# Altium PCB SEG_pressure gauge_don  V2.3.PcbDoc (part 2 of 4)
Units mil, origin at the board's own origin, x right, y up, seen from the top; angles counter-clockwise.
Board outline 2755.91 x 2755.91 mil, 2 copper layers (Top Layer, Bottom Layer); 36 components, 44 nets, 129 pads, 10 vias.
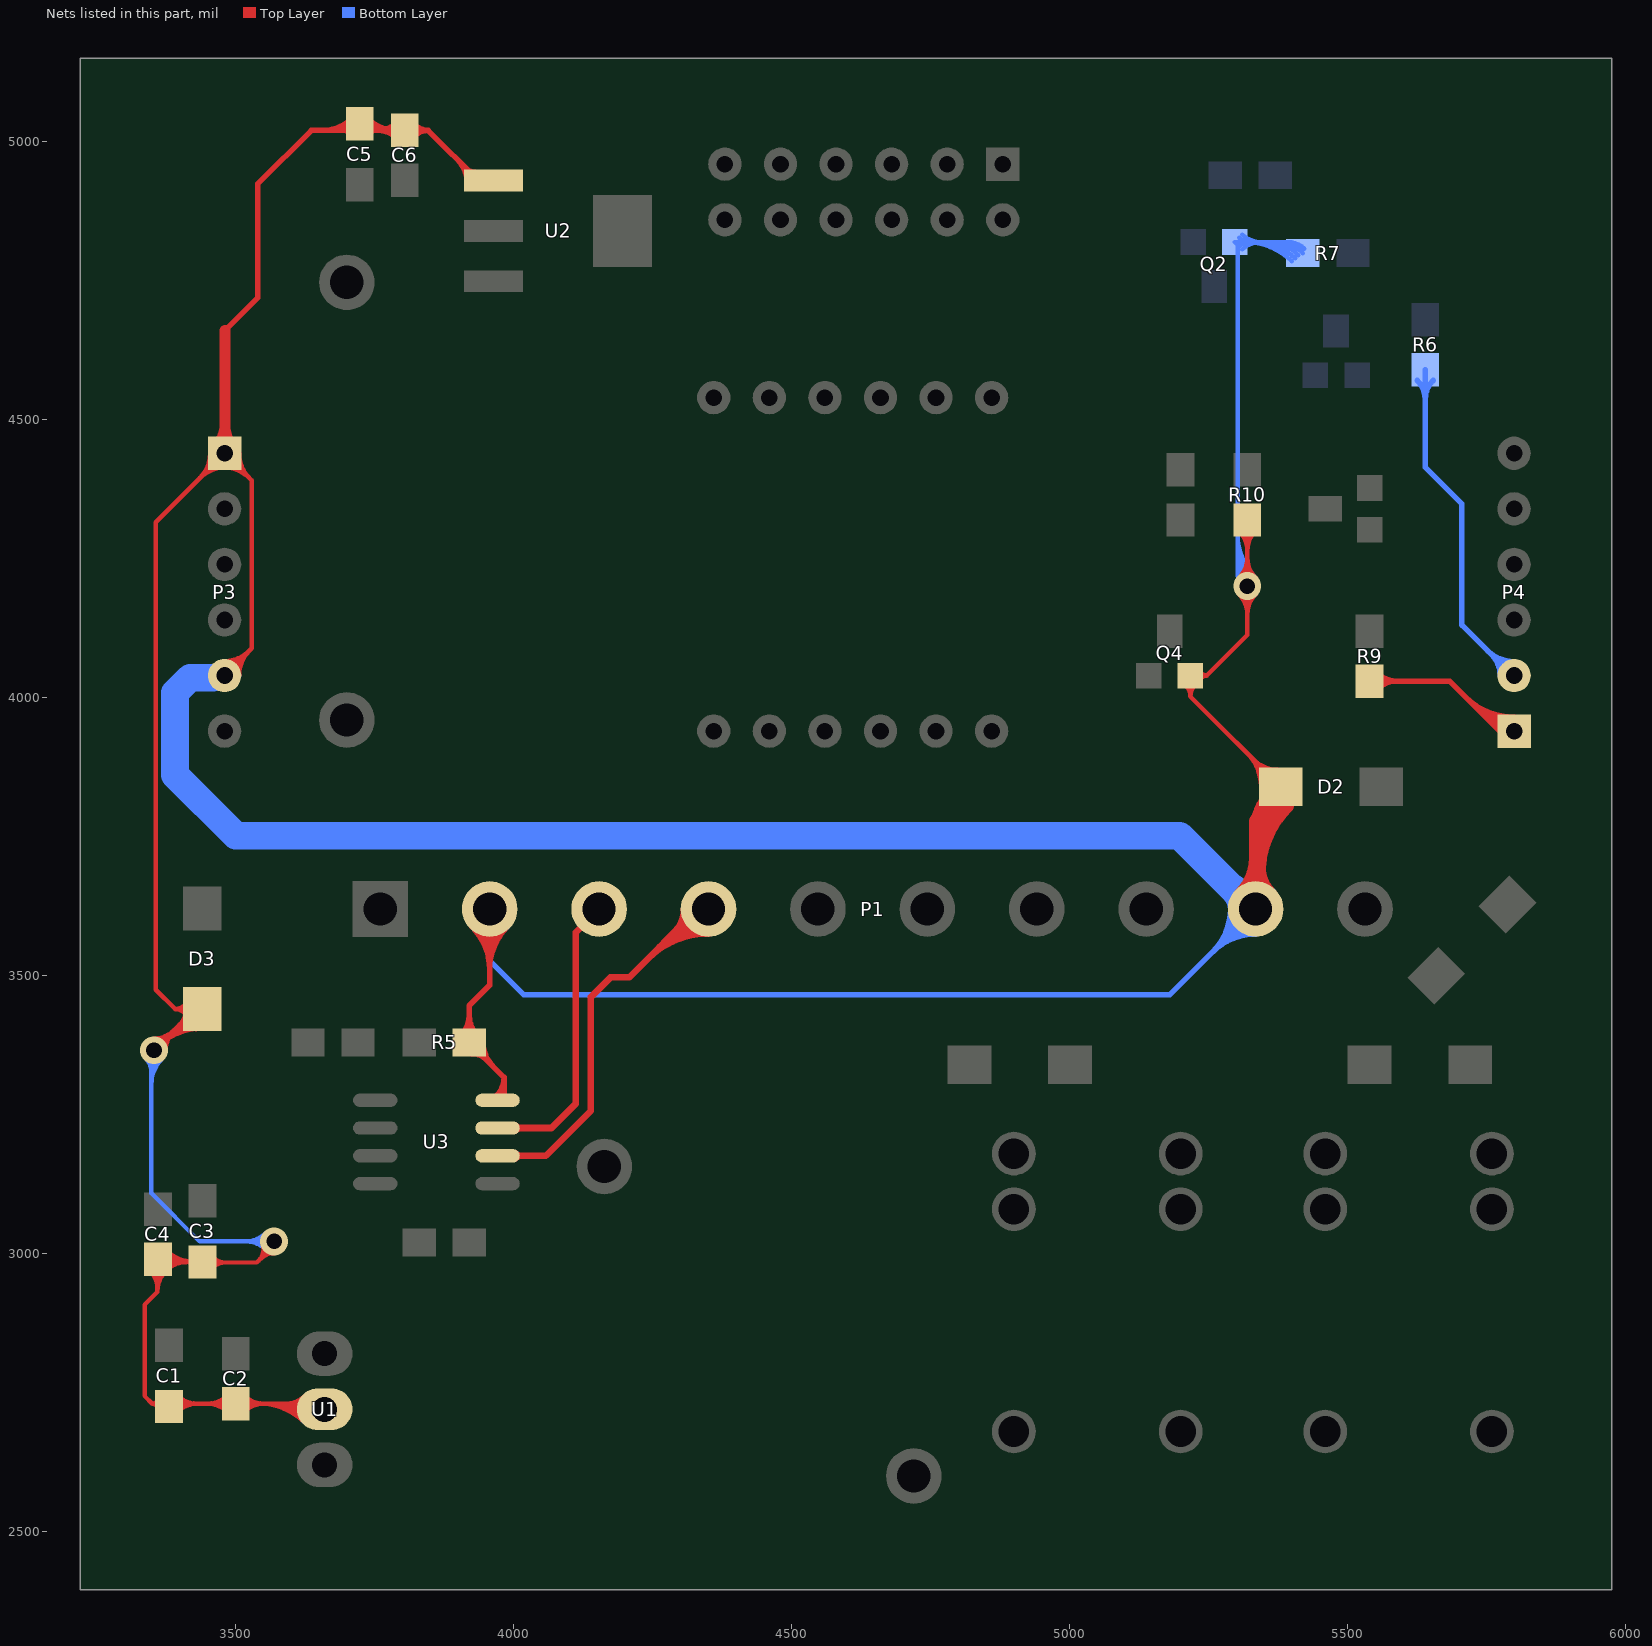
[diagram p2: the nets of this part, all layers, seen from the top]

## Via types
v1: diameter 50, hole 28, Top Layer to Bottom Layer, 7 vias
v2: diameter 50, hole 25, Top Layer to Bottom Layer, 2 vias
v3: diameter 31.5, hole 19.68, Top Layer to Bottom Layer, 1 vias

## Nets (pads, with @x,y where several pads share a name; then routed paths per layer and width w, separated by ;. In a path a pad name is that pad's centre, name@x,y a point inside that pad or via, vN(x,y) a via of type N, cw(c..) or ccw(c..) an arc to the next point about the centre after c; other vN are vias at no path point) (continued)
CHUAN-: C1.2 C2.2 C3.2 C4.2 C5.2 C6.2 D2.1 D3.1 P1.2 P1.9 P3.1 P3.5 Q2.2 Q4.2 R5.1 R7.1 R10.1 U1.2 U2.1 U3.4 | length 36921.4
  Top Layer w8: v1(3353,3366) D3.1@3427,3440 ; D3.1@3440,3440 D3.1@3427,3440 ; P3.5@3480,4040 3529,4089 3529,4391 P3.1@3480,4440 3356,4316 3356,3475 3391,3440 ; v1@3566,3021 3566,3012 3538,2984 3480,2984 ; U1.2@3663,2700 3633,2730 3350,2730 ; C6.2@3804,5021 3769,5021 ; R10.1@5320,4320 v1(5320,4201) 5320,4113 5247,4040 ; D2.1@5380,3840 5217.5,4002.5 ; C4.2@3345.15,2970.15 cw(c3311.72,2936.72) 3359,2936.72 ; C4.2@3345.15,2970.15 cw(c3311.72,2936.72) 3359,2936.72 ; C4.2@3345.15,2970.15 cw(c3311.72,2936.72) 3359,2936.72 ; 3350,2730 cw(c3350,2719.07) C1.2@3360.27,2722.81 ; 3350,2730 ccw(c3350,2740.93) C1.2@3360.27,2737.19 ; 3350,2730 cw(c3350,2719.07) C1.2@3360.27,2722.81 ; 3350,2730 ccw(c3350,2740.93) C1.2@3360.27,2737.19 ; 3350,2730 cw(c3350,2719.07) C1.2@3360.27,2722.81 ; 3350,2730 ccw(c3350,2740.93) C1.2@3360.27,2737.19 ; 3350,2730 ccw(c3350,2740.93) C1.2@3360.27,2737.19 ; 3350,2730 cw(c3350,2719.07) C1.2@3360.27,2722.81 ; 3350,2730 ccw(c3350,2740.93) C1.2@3360.27,2737.19 ; 3350,2730 cw(c3350,2719.07) C1.2@3360.27,2722.81 ; 3350,2730 3336,2744 3336,2908 3359,2931 3359,2985 3359.96,2984.99 3439.99,2984.33 3480,2984 ; C4.2@3350.81,2975.81 cw(c3331.03,2956.03) 3359,2956.03 ; C4.2@3350.81,2975.81 cw(c3331.03,2956.03) 3359,2956.03 ; C4.2@3350.81,2975.81 cw(c3331.03,2956.03) 3359,2956.03 ; v1@3353,3379 ccw(c3353,3410.38) 3375.19,3388.19 ; v1@3353,3379 ccw(c3353,3410.38) 3375.19,3388.19 ; v1@3353,3379 ccw(c3353,3410.38) 3375.19,3388.19 ; v1@3353,3387 ccw(c3353,3437.7) 3388.85,3401.85 ; v1@3353,3387 ccw(c3353,3437.7) 3388.85,3401.85 ; v1@3353,3387 ccw(c3353,3437.7) 3388.85,3401.85 ; v1@3357.43,3370.43 cw(c3440,3287.85) D3.1@3440,3404.63 ; v1@3357.43,3370.43 cw(c3440,3287.85) D3.1@3440,3404.63 ; v1@3357.43,3370.43 cw(c3440,3287.85) D3.1@3440,3404.63 ; 3359,2931.89 cw(c3413.11,2931.89) C4.2@3374.85,2970.15 ; 3359,2931.89 cw(c3413.11,2931.89) C4.2@3374.85,2970.15 ; 3359,2931.89 cw(c3413.11,2931.89) C4.2@3374.85,2970.15 ; 3359,2941.3 cw(c3409.7,2941.3) C4.2@3373.85,2977.15 ; 3359,2941.3 ccw(c3308.3,2941.3) 3344.15,2977.15 cw(c3308.3,2941.3) 3359,2941.3 ; 3359,2941.3 cw(c3409.7,2941.3) C4.2@3373.85,2977.15 ; 3359,2951.2 cw(c3393.8,2951.2) C4.2@3369.19,2975.81 ; 3359,2951.2 cw(c3393.8,2951.2) C4.2@3369.19,2975.81 ; 3359,2951.2 cw(c3393.8,2951.2) C4.2@3369.19,2975.81 ; C4.2@3359,2960.62 cw(c3390.38,2960.62) 3368.19,2982.81 ccw(c3390.38,2960.62) C4.2@3359,2960.62 ; C4.2@3359,2960.62 ccw(c3327.62,2960.62) 3349.81,2982.81 cw(c3327.62,2960.62) C4.2@3359,2960.62 ; v1@3366,3366 cw(c3397.38,3366) 3375.19,3388.19 ; v1@3366,3366 cw(c3397.38,3366) 3375.19,3388.19 ; v1@3366,3366 cw(c3397.38,3366) 3375.19,3388.19 ; C4.2@3369.12,2975.73 cw(c3391.1,2953.38) 3391.36,2984.73 ; C4.2@3369.12,2975.73 cw(c3391.1,2953.38) 3391.36,2984.73 ; C4.2@3369.12,2975.73 cw(c3391.1,2953.38) 3391.36,2984.73 ; C4.2@3369.27,2994.12 ccw(c3391.66,3016.14) 3391.4,2984.73 ; C4.2@3369.27,2994.12 ccw(c3391.66,3016.14) 3391.4,2984.73 ; C4.2@3369.27,2994.12 ccw(c3391.66,3016.14) 3391.4,2984.73 ; 3371.08,3384.08 cw(c3440,3315.17) D3.1@3440,3412.63 ; 3371.08,3384.08 cw(c3440,3315.17) D3.1@3440,3412.63 ; 3371.08,3384.08 cw(c3440,3315.17) D3.1@3440,3412.63 ; C4.2@3373.85,2977.15 cw(c3392.8,2958.2) 3392.8,2985 ccw(c3392.8,2958.2) C4.2@3373.85,2977.15 ; v1@3374,3366 cw(c3424.7,3366) 3388.85,3401.85 ; v1@3374,3366 cw(c3424.7,3366) 3388.85,3401.85 ; v1@3374,3366 cw(c3424.7,3366) 3388.85,3401.85 ; C4.2@3374.73,2970.03 cw(c3410.26,2933.9) 3410.68,2984.57 ; C4.2@3374.73,2970.03 cw(c3410.26,2933.9) 3410.68,2984.57 ; C4.2@3374.73,2970.03 cw(c3410.26,2933.9) 3410.68,2984.57 ; C4.2@3374.97,2999.73 ccw(c3411.14,3035.3) 3410.72,2984.57 ; C4.2@3374.97,2999.73 ccw(c3411.14,3035.3) 3410.72,2984.57 ; C4.2@3374.97,2999.73 ccw(c3411.14,3035.3) 3410.72,2984.57 ; 3384.74,3397.74 cw(c3440,3342.48) D3.1@3440,3420.63 ; 3384.74,3397.74 cw(c3440,3342.48) D3.1@3440,3420.63 ; 3384.74,3397.74 cw(c3440,3342.48) D3.1@3440,3420.63 ; C1.2@3389.19,2720.81 cw(c3411.38,2698.62) 3411.38,2730 ; C1.2@3389.19,2720.81 cw(c3411.38,2698.62) 3411.38,2730 ; C1.2@3389.19,2720.81 cw(c3411.38,2698.62) 3411.38,2730 ; C1.2@3389.19,2720.81 cw(c3411.38,2698.62) 3411.38,2730 ; C1.2@3389.19,2720.81 cw(c3411.38,2698.62) 3411.38,2730 ; C1.2@3389.19,2739.19 ccw(c3411.38,2761.38) 3411.38,2730 ; C1.2@3389.19,2739.19 ccw(c3411.38,2761.38) 3411.38,2730 ; C1.2@3389.19,2739.19 ccw(c3411.38,2761.38) 3411.38,2730 ; C1.2@3389.19,2739.19 ccw(c3411.38,2761.38) 3411.38,2730 ; C1.2@3389.19,2739.19 ccw(c3411.38,2761.38) 3411.38,2730 ; 3391,3440 cw(c3391,3415.8) D3.1@3412.7,3426.52 ; 3391,3440 ccw(c3391,3464.2) D3.1@3412.7,3453.48 ; 3391,3440 cw(c3391,3415.8) D3.1@3412.7,3426.52 ; 3391,3440 ccw(c3391,3464.2) D3.1@3412.7,3453.48 ; 3391,3440 ccw(c3391,3464.2) D3.1@3412.7,3453.48 ; 3391,3440 cw(c3391,3415.8) D3.1@3412.7,3426.52 ; 3391,3440 D3.1@3427,3440 ; C1.2@3394.85,2715.15 cw(c3430.7,2679.3) 3430.7,2730 ; C1.2@3394.85,2715.15 cw(c3430.7,2679.3) 3430.7,2730 ; C1.2@3394.85,2715.15 cw(c3430.7,2679.3) 3430.7,2730 ; C1.2@3394.85,2715.15 cw(c3430.7,2679.3) 3430.7,2730 ; C1.2@3394.85,2715.15 cw(c3430.7,2679.3) 3430.7,2730 ; C1.2@3394.85,2744.85 ccw(c3430.7,2780.7) 3430.7,2730 ; C1.2@3394.85,2744.85 ccw(c3430.7,2780.7) 3430.7,2730 ; C1.2@3394.85,2744.85 ccw(c3430.7,2780.7) 3430.7,2730 ; C1.2@3394.85,2744.85 ccw(c3430.7,2780.7) 3430.7,2730 ; C1.2@3394.85,2744.85 ccw(c3430.7,2780.7) 3430.7,2730 ; 3398.4,3411.4 cw(c3440,3369.8) D3.1@3440,3428.63 ; 3398.4,3411.4 cw(c3440,3369.8) D3.1@3440,3428.63 ; 3398.4,3411.4 cw(c3440,3369.8) D3.1@3440,3428.63 ; 3400.69,3413.69 ccw(c3379.31,3435.08) D3.1@3409.55,3435.08 ; 3400.69,3413.69 ccw(c3379.31,3435.08) D3.1@3409.55,3435.08 ; 3400.69,3413.69 ccw(c3379.31,3435.08) D3.1@3409.55,3435.08 ; 3403.88,3440 cw(c3403.88,3422.16) D3.1@3419.87,3430.06 ; 3403.88,3440 ccw(c3403.88,3457.84) D3.1@3419.87,3449.94 ; 3403.88,3440 cw(c3403.88,3422.16) D3.1@3419.87,3430.06 ; 3403.88,3440 ccw(c3403.88,3457.84) D3.1@3419.87,3449.94 ; 3403.88,3440 ccw(c3403.88,3457.84) D3.1@3419.87,3449.94 ; 3403.88,3440 cw(c3403.88,3422.16) D3.1@3419.87,3430.06 ; 3409.3,2985 cw(c3409.3,2934.3) 3445.15,2970.15 ccw(c3409.3,2934.3) 3409.3,2985 ; 3409.3,2985 ccw(c3409.3,3035.7) 3445.15,2999.85 cw(c3409.3,3035.7) 3409.3,2985 ; C3.2@3428.62,2985 cw(c3428.62,2953.62) 3450.81,2975.81 ccw(c3428.62,2953.62) C3.2@3428.62,2985 ; C3.2@3428.62,2985 ccw(c3428.62,3016.38) 3450.81,2994.19 cw(c3428.62,3016.38) C3.2@3428.62,2985 ; 3435.62,4395.62 cw(c3480,4351.23) P3.1@3480,4414 ; 3435.62,4395.62 ccw(c3391.23,4440) P3.1@3454,4440 ; 3435.62,4395.62 cw(c3480,4351.23) P3.1@3480,4414 ; 3435.62,4395.62 ccw(c3391.23,4440) P3.1@3454,4440 ; 3435.62,4395.62 cw(c3480,4351.23) P3.1@3480,4414 ; 3435.62,4395.62 ccw(c3391.23,4440) P3.1@3454,4440 ; 3435.62,4395.62 ccw(c3391.23,4440) P3.1@3454,4440 ; 3435.62,4395.62 cw(c3480,4351.23) P3.1@3480,4414 ; 3435.62,4395.62 ccw(c3391.23,4440) P3.1@3454,4440 ; 3435.62,4395.62 cw(c3480,4351.23) P3.1@3480,4414 ; 3449.27,4409.27 cw(c3480,4378.54) P3.1@3480,4422 ; 3449.27,4409.27 ccw(c3418.54,4440) P3.1@3462,4440 ; 3449.27,4409.27 cw(c3480,4378.54) P3.1@3480,4422 ; 3449.27,4409.27 ccw(c3418.54,4440) P3.1@3462,4440 ; 3449.27,4409.27 cw(c3480,4378.54) P3.1@3480,4422 ; 3449.27,4409.27 ccw(c3418.54,4440) P3.1@3462,4440 ; 3449.27,4409.27 ccw(c3418.54,4440) P3.1@3462,4440 ; 3449.27,4409.27 cw(c3480,4378.54) P3.1@3480,4422 ; 3449.27,4409.27 ccw(c3418.54,4440) P3.1@3462,4440 ; 3449.27,4409.27 cw(c3480,4378.54) P3.1@3480,4422 ; 3449.3,2730 cw(c3449.3,2679.3) C2.2@3485.15,2715.15 ; 3449.3,2730 ccw(c3449.3,2780.7) C2.2@3485.15,2744.85 ; 3449.3,2730 cw(c3449.3,2679.3) C2.2@3485.15,2715.15 ; 3449.3,2730 ccw(c3449.3,2780.7) C2.2@3485.15,2744.85 ; 3449.3,2730 ccw(c3449.3,2780.7) C2.2@3485.15,2744.85 ; 3449.3,2730 cw(c3449.3,2679.3) C2.2@3485.15,2715.15 ; C3.2@3450.95,2992.01 ccw(c3465.37,3001.24) 3465.23,2984.12 ; C3.2@3450.95,2992.01 ccw(c3465.37,3001.24) 3465.23,2984.12 ; C3.2@3450.95,2992.01 ccw(c3465.37,3001.24) 3465.23,2984.12 ; C3.2@3456.86,2972.48 cw(c3479.76,2955.49) 3479.99,2984 ; C3.2@3456.86,2972.48 cw(c3479.76,2955.49) 3479.99,2984 ; C3.2@3456.86,2972.48 cw(c3479.76,2955.49) 3479.99,2984 ; C3.2@3457.68,2996.32 ccw(c3480.21,3010.75) 3479.99,2984 ; C3.2@3457.68,2996.32 ccw(c3480.21,3010.75) 3479.99,2984 ; C3.2@3457.68,2996.32 ccw(c3480.21,3010.75) 3479.99,2984 ; 3468.62,2730 cw(c3468.62,2698.62) C2.2@3490.81,2720.81 ; 3468.62,2730 ccw(c3468.62,2761.38) C2.2@3490.81,2739.19 ; 3468.62,2730 cw(c3468.62,2698.62) C2.2@3490.81,2720.81 ; 3468.62,2730 ccw(c3468.62,2761.38) C2.2@3490.81,2739.19 ; 3468.62,2730 ccw(c3468.62,2761.38) C2.2@3490.81,2739.19 ; 3468.62,2730 cw(c3468.62,2698.62) C2.2@3490.81,2720.81 ; P3.5@3480,4058 ccw(c3480,4101.46) 3510.73,4070.73 ; P3.5@3480,4058 ccw(c3480,4101.46) 3510.73,4070.73 ; P3.5@3480,4058 ccw(c3480,4101.46) 3510.73,4070.73 ; P3.5@3480,4058 ccw(c3480,4101.46) 3510.73,4070.73 ; P3.5@3480,4058 ccw(c3480,4101.46) 3510.73,4070.73 ; P3.5@3480,4066 ccw(c3480,4128.77) 3524.38,4084.38 ; P3.5@3480,4066 ccw(c3480,4128.77) 3524.38,4084.38 ; P3.5@3480,4066 ccw(c3480,4128.77) 3524.38,4084.38 ; P3.5@3480,4066 ccw(c3480,4128.77) 3524.38,4084.38 ; P3.5@3480,4066 ccw(c3480,4128.77) 3524.38,4084.38 ; P3.1@3480,4414 cw(c3480,4351.23) 3524.38,4395.62 ; P3.1@3480,4414 cw(c3480,4351.23) 3524.38,4395.62 ; P3.1@3480,4414 cw(c3480,4351.23) 3524.38,4395.62 ; P3.1@3480,4414 cw(c3480,4351.23) 3524.38,4395.62 ; P3.1@3480,4414 cw(c3480,4351.23) 3524.38,4395.62 ; P3.1@3480,4422 cw(c3480,4378.54) 3510.73,4409.27 ; P3.1@3480,4422 cw(c3480,4378.54) 3510.73,4409.27 ; P3.1@3480,4422 cw(c3480,4378.54) 3510.73,4409.27 ; P3.1@3480,4422 cw(c3480,4378.54) 3510.73,4409.27 ; P3.1@3480,4422 cw(c3480,4378.54) 3510.73,4409.27 ; P3.5@3498,4040 cw(c3541.46,4040) 3510.73,4070.73 ; P3.5@3498,4040 cw(c3541.46,4040) 3510.73,4070.73 ; P3.5@3498,4040 cw(c3541.46,4040) 3510.73,4070.73 ; P3.5@3498,4040 cw(c3541.46,4040) 3510.73,4070.73 ; P3.5@3498,4040 cw(c3541.46,4040) 3510.73,4070.73 ; P3.1@3498,4440 ccw(c3541.46,4440) 3510.73,4409.27 ; P3.1@3498,4440 ccw(c3541.46,4440) 3510.73,4409.27 ; P3.1@3498,4440 ccw(c3541.46,4440) 3510.73,4409.27 ; P3.1@3498,4440 ccw(c3541.46,4440) 3510.73,4409.27 ; P3.1@3498,4440 ccw(c3541.46,4440) 3510.73,4409.27 ; P3.5@3506,4040 cw(c3568.77,4040) 3524.38,4084.38 ; P3.5@3506,4040 cw(c3568.77,4040) 3524.38,4084.38 ; P3.5@3506,4040 cw(c3568.77,4040) 3524.38,4084.38 ; P3.5@3506,4040 cw(c3568.77,4040) 3524.38,4084.38 ; P3.5@3506,4040 cw(c3568.77,4040) 3524.38,4084.38 ; P3.1@3506,4440 ccw(c3568.77,4440) 3524.38,4395.62 ; P3.1@3506,4440 ccw(c3568.77,4440) 3524.38,4395.62 ; P3.1@3506,4440 ccw(c3568.77,4440) 3524.38,4395.62 ; P3.1@3506,4440 ccw(c3568.77,4440) 3524.38,4395.62 ; P3.1@3506,4440 ccw(c3568.77,4440) 3524.38,4395.62 ; C2.2@3509.19,2720.81 cw(c3531.38,2698.62) 3531.38,2730 ; C2.2@3509.19,2720.81 cw(c3531.38,2698.62) 3531.38,2730 ; C2.2@3509.19,2720.81 cw(c3531.38,2698.62) 3531.38,2730 ; C2.2@3509.19,2739.19 ccw(c3531.38,2761.38) 3531.38,2730 ; C2.2@3509.19,2739.19 ccw(c3531.38,2761.38) 3531.38,2730 ; C2.2@3509.19,2739.19 ccw(c3531.38,2761.38) 3531.38,2730 ; C2.2@3514.85,2715.15 cw(c3550.7,2679.3) 3550.7,2730 ; C2.2@3514.85,2715.15 cw(c3550.7,2679.3) 3550.7,2730 ; C2.2@3514.85,2715.15 cw(c3550.7,2679.3) 3550.7,2730 ; C2.2@3514.85,2744.85 ccw(c3550.7,2780.7) 3550.7,2730 ; C2.2@3514.85,2744.85 ccw(c3550.7,2780.7) 3550.7,2730 ; C2.2@3514.85,2744.85 ccw(c3550.7,2780.7) 3550.7,2730 ; 3541.5,2987.5 ccw(c3520.99,3008.01) v1@3548.84,3016.13 ; 3541.5,2987.5 ccw(c3520.99,3008.01) v1@3548.84,3016.13 ; 3541.5,2987.5 ccw(c3520.99,3008.01) v1@3548.84,3016.13 ; 3542.48,2730 cw(c3542.48,2614.98) U1.2@3623.81,2696.31 ; 3542.48,2730 cw(c3542.48,2614.98) U1.2@3623.81,2696.31 ; 3542.48,2730 cw(c3542.48,2614.98) U1.2@3623.81,2696.31 ; 3545.1,2991.1 cw(c3569,2967.2) v1@3569,3001 ; 3545.1,2991.1 cw(c3569,2967.2) v1@3569,3001 ; 3545.1,2991.1 cw(c3569,2967.2) v1@3569,3001 ; 3551.06,2997.06 ccw(c3535.79,3012.32) v1@3556.52,3018.36 ; 3551.06,2997.06 ccw(c3535.79,3012.32) v1@3556.52,3018.36 ; 3551.06,2997.06 ccw(c3535.79,3012.32) v1@3556.52,3018.36 ; 3561.8,2730 cw(c3561.8,2634.3) U1.2@3629.47,2701.97 ; 3561.8,2730 cw(c3561.8,2634.3) U1.2@3629.47,2701.97 ; 3561.8,2730 cw(c3561.8,2634.3) U1.2@3629.47,2701.97 ; 3581.11,2730 cw(c3581.11,2653.61) U1.2@3635.13,2707.63 ; 3581.11,2730 cw(c3581.11,2653.61) U1.2@3635.13,2707.63 ; 3581.11,2730 cw(c3581.11,2653.61) U1.2@3635.13,2707.63 ; 3590.77,2730 ccw(c3590.77,2776.73) U1.2@3623.81,2743.69 ; 3590.77,2730 ccw(c3590.77,2776.73) U1.2@3623.81,2743.69 ; 3590.77,2730 ccw(c3590.77,2776.73) U1.2@3623.81,2743.69 ; 3600.42,2730 cw(c3600.42,2672.92) U1.2@3640.78,2713.28 ; 3600.42,2730 cw(c3600.42,2672.92) U1.2@3640.78,2713.28 ; 3600.42,2730 cw(c3600.42,2672.92) U1.2@3640.78,2713.28 ; 3610.08,2730 ccw(c3610.08,2757.42) U1.2@3629.47,2738.03 ; 3610.08,2730 ccw(c3610.08,2757.42) U1.2@3629.47,2738.03 ; 3610.08,2730 ccw(c3610.08,2757.42) U1.2@3629.47,2738.03 ; 3769,5021 cw(c3769,5002.34) C6.2@3785.47,5011.12 ; 3769,5021 ccw(c3769,5039.66) C6.2@3785.47,5030.88 ; 3769,5021 cw(c3769,5002.34) C6.2@3785.47,5011.12 ; 3769,5021 ccw(c3769,5039.66) C6.2@3785.47,5030.88 ; 3769,5021 cw(c3769,5002.34) C6.2@3785.47,5011.12 ; 3769,5021 ccw(c3769,5039.66) C6.2@3785.47,5030.88 ; 3769,5021 ccw(c3769,5039.66) C6.2@3785.47,5030.88 ; 3769,5021 cw(c3769,5002.34) C6.2@3785.47,5011.12 ; 3769,5021 ccw(c3769,5039.66) C6.2@3785.47,5030.88 ; 3769,5021 cw(c3769,5002.34) C6.2@3785.47,5011.12 ; Q4.2@5206.26,4024.68 cw(c5190,4002.5) 5217.5,4002.5 ; Q4.2@5206.26,4024.68 cw(c5190,4002.5) 5217.5,4002.5 ; Q4.2@5206.26,4024.68 cw(c5190,4002.5) 5217.5,4002.5 ; 5217.5,4002.5 cw(c5245,4002.5) Q4.2@5228.74,4024.68 ; 5217.5,4002.5 cw(c5245,4002.5) Q4.2@5228.74,4024.68 ; 5217.5,4002.5 cw(c5245,4002.5) Q4.2@5228.74,4024.68 ; 5217.5,4002.5 Q4.2@5217.5,4040 5247,4040 ; Q4.2@5234.8,4032.14 cw(c5247,4026.6) 5247,4040 ; Q4.2@5234.8,4032.14 cw(c5247,4026.6) 5247,4040 ; Q4.2@5234.8,4032.14 cw(c5247,4026.6) 5247,4040 ; Q4.2@5234.8,4047.86 ccw(c5247,4053.4) 5247,4040 ; Q4.2@5234.8,4047.86 ccw(c5247,4053.4) 5247,4040 ; Q4.2@5234.8,4047.86 ccw(c5247,4053.4) 5247,4040 ; v1@5305.15,4186.15 cw(c5269.3,4150.3) 5320,4150.3 ; v1@5305.15,4186.15 cw(c5269.3,4150.3) 5320,4150.3 ; v1@5305.15,4186.15 cw(c5269.3,4150.3) 5320,4150.3 ; v1@5305.15,4215.85 ccw(c5269.3,4251.7) 5320,4251.7 ; v1@5305.15,4215.85 ccw(c5269.3,4251.7) 5320,4251.7 ; v1@5305.15,4215.85 ccw(c5269.3,4251.7) 5320,4251.7 ; R10.1@5305.15,4300.15 cw(c5269.3,4264.3) 5320,4264.3 ; R10.1@5305.15,4300.15 cw(c5269.3,4264.3) 5320,4264.3 ; R10.1@5305.15,4300.15 cw(c5269.3,4264.3) 5320,4264.3 ; v1@5310.81,4191.81 cw(c5288.62,4169.62) 5320,4169.62 ; v1@5310.81,4191.81 cw(c5288.62,4169.62) 5320,4169.62 ; v1@5310.81,4191.81 cw(c5288.62,4169.62) 5320,4169.62 ; v1@5310.81,4210.19 ccw(c5288.62,4232.38) 5320,4232.38 ; v1@5310.81,4210.19 ccw(c5288.62,4232.38) 5320,4232.38 ; v1@5310.81,4210.19 ccw(c5288.62,4232.38) 5320,4232.38 ; R10.1@5310.81,4305.81 cw(c5288.62,4283.62) 5320,4283.62 ; R10.1@5310.81,4305.81 cw(c5288.62,4283.62) 5320,4283.62 ; R10.1@5310.81,4305.81 cw(c5288.62,4283.62) 5320,4283.62 ; 5319.62,3900.38 cw(c5259.24,3840) D2.1@5344.63,3840 ; 5319.62,3900.38 cw(c5259.24,3840) D2.1@5344.63,3840 ; 5319.62,3900.38 cw(c5259.24,3840) D2.1@5344.63,3840 ; 5320,4150.3 cw(c5370.7,4150.3) v1@5334.85,4186.15 ; 5320,4150.3 cw(c5370.7,4150.3) v1@5334.85,4186.15 ; 5320,4150.3 cw(c5370.7,4150.3) v1@5334.85,4186.15 ; 5320,4169.62 cw(c5351.38,4169.62) v1@5329.19,4191.81 ; 5320,4169.62 cw(c5351.38,4169.62) v1@5329.19,4191.81 ; 5320,4169.62 cw(c5351.38,4169.62) v1@5329.19,4191.81 ; 5320,4232.38 ccw(c5351.38,4232.38) v1@5329.19,4210.19 ; 5320,4232.38 ccw(c5351.38,4232.38) v1@5329.19,4210.19 ; 5320,4232.38 ccw(c5351.38,4232.38) v1@5329.19,4210.19 ; 5320,4251.7 ccw(c5370.7,4251.7) v1@5334.85,4215.85 ; 5320,4251.7 ccw(c5370.7,4251.7) v1@5334.85,4215.85 ; 5320,4251.7 ccw(c5370.7,4251.7) v1@5334.85,4215.85 ; 5320,4264.3 cw(c5370.7,4264.3) R10.1@5334.85,4300.15 ; 5320,4264.3 cw(c5370.7,4264.3) R10.1@5334.85,4300.15 ; 5320,4264.3 cw(c5370.7,4264.3) R10.1@5334.85,4300.15 ; 5320,4283.62 cw(c5351.38,4283.62) R10.1@5329.19,4305.81 ; 5320,4283.62 cw(c5351.38,4283.62) R10.1@5329.19,4305.81 ; 5320,4283.62 cw(c5351.38,4283.62) R10.1@5329.19,4305.81 ; 5331.5,3888.5 ccw(c5375.08,3932.08) D2.1@5375.08,3870.45 ; 5331.5,3888.5 ccw(c5375.08,3932.08) D2.1@5375.08,3870.45 ; 5331.5,3888.5 ccw(c5375.08,3932.08) D2.1@5375.08,3870.45 ; 5333.28,3886.72 cw(c5286.55,3840) D2.1@5352.63,3840 ; 5333.28,3886.72 cw(c5286.55,3840) D2.1@5352.63,3840 ; 5333.28,3886.72 cw(c5286.55,3840) D2.1@5352.63,3840 ; 5345.16,3874.84 ccw(c5375.08,3904.76) D2.1@5375.08,3862.45 ; 5345.16,3874.84 ccw(c5375.08,3904.76) D2.1@5375.08,3862.45 ; 5345.16,3874.84 ccw(c5375.08,3904.76) D2.1@5375.08,3862.45 ; D2.1@5346.93,3873.07 cw(c5313.87,3840) D2.1@5360.63,3840 ; D2.1@5346.93,3873.07 cw(c5313.87,3840) D2.1@5360.63,3840 ; D2.1@5346.93,3873.07 cw(c5313.87,3840) D2.1@5360.63,3840 ; C4.2@3362.54,2995.54 ccw(c3387.97,3020.97) 3387.97,2985 cw(c3387.97,3020.97) C4.2@3362.54,2995.54 ; C4.2@3368.19,3001.19 ccw(c3407.28,3040.28) 3407.28,2985 cw(c3407.28,3040.28) C4.2@3368.19,3001.19 ; C4.2@3373.85,3006.85 ccw(c3426.6,3059.6) 3426.6,2985 cw(c3426.6,3059.6) C4.2@3373.85,3006.85
  Top Layer w10: P3.1@3480,4440 3481,4441 3481,4661 3540,4720 3540,4925 3636,5021 C6.2@3804,5021 3846,5021 ; P1.2@3956.85,3620 3956.85,3482.85 3920,3446 R5.1@3920,3380 3983,3317 ; U2.1@3963.86,4930.55 3936.45,4930.55 3846,5021 ; U3.4@3971,3276 3983,3288 3983,3317 ; P3.1@3462.32,4457.68 ccw(c3417.23,4502.77) 3481,4502.77 ; P3.1@3462.32,4457.68 ccw(c3417.23,4502.77) 3481,4502.77 ; P3.1@3462.32,4457.68 ccw(c3417.23,4502.77) 3481,4502.77 ; P3.1@3462.32,4457.68 ccw(c3417.23,4502.77) 3481,4502.77 ; P3.1@3462.32,4457.68 ccw(c3417.23,4502.77) 3481,4502.77 ; P3.1@3469.39,4450.61 ccw(c3441.37,4478.63) 3481,4478.63 ; P3.1@3469.39,4450.61 ccw(c3441.37,4478.63) 3481,4478.63 ; P3.1@3469.39,4450.61 ccw(c3441.37,4478.63) 3481,4478.63 ; P3.1@3469.39,4450.61 ccw(c3441.37,4478.63) 3481,4478.63 ; P3.1@3469.39,4450.61 ccw(c3441.37,4478.63) 3481,4478.63 ; 3481,4473.8 ccw(c3513.8,4473.8) P3.1@3490.61,4450.61 ; 3481,4473.8 ccw(c3513.8,4473.8) P3.1@3490.61,4450.61 ; 3481,4473.8 ccw(c3513.8,4473.8) P3.1@3490.61,4450.61 ; 3481,4473.8 ccw(c3513.8,4473.8) P3.1@3490.61,4450.61 ; 3481,4473.8 ccw(c3513.8,4473.8) P3.1@3490.61,4450.61 ; 3481,4497.94 ccw(c3537.94,4497.94) P3.1@3497.68,4457.68 ; 3481,4497.94 ccw(c3537.94,4497.94) P3.1@3497.68,4457.68 ; 3481,4497.94 ccw(c3537.94,4497.94) P3.1@3497.68,4457.68 ; 3481,4497.94 ccw(c3537.94,4497.94) P3.1@3497.68,4457.68 ; 3481,4497.94 ccw(c3537.94,4497.94) P3.1@3497.68,4457.68 ; 3657.82,5021 ccw(c3657.82,5093.18) C5.2@3708.86,5042.14 ; 3657.82,5021 ccw(c3657.82,5093.18) C5.2@3708.86,5042.14 ; 3657.82,5021 ccw(c3657.82,5093.18) C5.2@3708.86,5042.14 ; 3657.82,5021 ccw(c3657.82,5093.18) C5.2@3708.86,5042.14 ; 3657.82,5021 ccw(c3657.82,5093.18) C5.2@3708.86,5042.14 ; 3681.96,5021 ccw(c3681.96,5069.04) C5.2@3715.93,5035.07 ; 3681.96,5021 ccw(c3681.96,5069.04) C5.2@3715.93,5035.07 ; 3681.96,5021 ccw(c3681.96,5069.04) C5.2@3715.93,5035.07 ; 3681.96,5021 ccw(c3681.96,5069.04) C5.2@3715.93,5035.07 ; 3681.96,5021 ccw(c3681.96,5069.04) C5.2@3715.93,5035.07 ; 3691.62,5021 cw(c3691.62,4996.62) C5.2@3708.86,5013.86 ; 3691.62,5021 cw(c3691.62,4996.62) C5.2@3708.86,5013.86 ; 3691.62,5021 cw(c3691.62,4996.62) C5.2@3708.86,5013.86 ; 3691.62,5021 cw(c3691.62,4996.62) C5.2@3708.86,5013.86 ; 3691.62,5021 cw(c3691.62,4996.62) C5.2@3708.86,5013.86 ; C5.2@3730.07,5035.07 ccw(c3764.04,5069.04) 3764.04,5021 ; C5.2@3730.07,5035.07 ccw(c3764.04,5069.04) 3764.04,5021 ; C5.2@3730.07,5035.07 ccw(c3764.04,5069.04) 3764.04,5021 ; C5.2@3730.07,5035.07 ccw(c3764.04,5069.04) 3764.04,5021 ; C5.2@3730.07,5035.07 ccw(c3764.04,5069.04) 3764.04,5021 ; C5.2@3737.14,5013.86 cw(c3754.38,4996.62) 3754.38,5021 ; C5.2@3737.14,5013.86 cw(c3754.38,4996.62) 3754.38,5021 ; C5.2@3737.14,5013.86 cw(c3754.38,4996.62) 3754.38,5021 ; C5.2@3737.14,5013.86 cw(c3754.38,4996.62) 3754.38,5021 ; C5.2@3737.14,5013.86 cw(c3754.38,4996.62) 3754.38,5021 ; C5.2@3737.14,5042.14 ccw(c3788.18,5093.18) C6.2@3788.18,5021 ; C5.2@3737.14,5042.14 ccw(c3788.18,5093.18) C6.2@3788.18,5021 ; C5.2@3737.14,5042.14 ccw(c3788.18,5093.18) C6.2@3788.18,5021 ; C5.2@3737.14,5042.14 ccw(c3788.18,5093.18) C6.2@3788.18,5021 ; C5.2@3737.14,5042.14 ccw(c3788.18,5093.18) C6.2@3788.18,5021 ; 3755.72,5021 cw(c3755.72,4972.72) C6.2@3789.86,5006.86 ; 3755.72,5021 ccw(c3755.72,5069.28) C6.2@3789.86,5035.14 ; 3755.72,5021 cw(c3755.72,4972.72) C6.2@3789.86,5006.86 ; 3755.72,5021 ccw(c3755.72,5069.28) C6.2@3789.86,5035.14 ; 3755.72,5021 cw(c3755.72,4972.72) C6.2@3789.86,5006.86 ; 3755.72,5021 ccw(c3755.72,5069.28) C6.2@3789.86,5035.14 ; 3755.72,5021 ccw(c3755.72,5069.28) C6.2@3789.86,5035.14 ; 3755.72,5021 cw(c3755.72,4972.72) C6.2@3789.86,5006.86 ; 3755.72,5021 ccw(c3755.72,5069.28) C6.2@3789.86,5035.14 ; 3755.72,5021 cw(c3755.72,4972.72) C6.2@3789.86,5006.86 ; C6.2@3819.53,5008.39 cw(c3846,4986.9) 3846,5021 ; C6.2@3819.53,5008.39 cw(c3846,4986.9) 3846,5021 ; C6.2@3819.53,5008.39 cw(c3846,4986.9) 3846,5021 ; C6.2@3819.53,5008.39 cw(c3846,4986.9) 3846,5021 ; C6.2@3819.53,5008.39 cw(c3846,4986.9) 3846,5021 ; C6.2@3819.53,5033.61 ccw(c3846,5055.1) 3846,5021 ; C6.2@3819.53,5033.61 ccw(c3846,5055.1) 3846,5021 ; C6.2@3819.53,5033.61 ccw(c3846,5055.1) 3846,5021 ; C6.2@3819.53,5033.61 ccw(c3846,5055.1) 3846,5021 ; C6.2@3819.53,5033.61 ccw(c3846,5055.1) 3846,5021 ; 3901.04,4965.96 cw(c3865.64,4930.55) U2.1@3915.71,4930.55 ; 3901.04,4965.96 cw(c3865.64,4930.55) U2.1@3915.71,4930.55 ; 3901.04,4965.96 cw(c3865.64,4930.55) U2.1@3915.71,4930.55 ; 3901.04,4965.96 cw(c3865.64,4930.55) U2.1@3915.71,4930.55 ; 3901.04,4965.96 cw(c3865.64,4930.55) U2.1@3915.71,4930.55 ; R5.1@3905.86,3394.14 ccw(c3871.72,3428.28) 3920,3428.28 ; R5.1@3905.86,3394.14 ccw(c3871.72,3428.28) 3920,3428.28 ; R5.1@3905.86,3394.14 ccw(c3871.72,3428.28) 3920,3428.28 ; R5.1@3905.86,3394.14 ccw(c3871.72,3428.28) 3920,3428.28 ; 3915.66,4951.34 ccw(c3930.39,4966.07) U2.1@3930.39,4945.24 ; 3915.66,4951.34 ccw(c3930.39,4966.07) U2.1@3930.39,4945.24 ; 3915.66,4951.34 ccw(c3930.39,4966.07) U2.1@3930.39,4945.24 ; 3915.66,4951.34 ccw(c3930.39,4966.07) U2.1@3930.39,4945.24 ; 3915.66,4951.34 ccw(c3930.39,4966.07) U2.1@3930.39,4945.24 ; U2.1@3918.11,4948.89 cw(c3899.78,4930.55) U2.1@3925.71,4930.55 ; U2.1@3918.11,4948.89 cw(c3899.78,4930.55) U2.1@3925.71,4930.55 ; U2.1@3918.11,4948.89 cw(c3899.78,4930.55) U2.1@3925.71,4930.55 ; U2.1@3918.11,4948.89 cw(c3899.78,4930.55) U2.1@3925.71,4930.55 ; U2.1@3918.11,4948.89 cw(c3899.78,4930.55) U2.1@3925.71,4930.55 ; 3920,3428.28 ccw(c3968.28,3428.28) R5.1@3934.14,3394.14 ; 3920,3428.28 ccw(c3968.28,3428.28) R5.1@3934.14,3394.14 ; 3920,3428.28 ccw(c3968.28,3428.28) R5.1@3934.14,3394.14 ; 3920,3428.28 ccw(c3968.28,3428.28) R5.1@3934.14,3394.14 ; R5.1@3925,3360 cw(c3925,3323.79) 3950.61,3349.39 ; R5.1@3925,3360 cw(c3925,3323.79) 3950.61,3349.39 ; R5.1@3925,3360 cw(c3925,3323.79) 3950.61,3349.39 ; R5.1@3925,3360 cw(c3925,3323.79) 3950.61,3349.39 ; P1.2@3925.03,3588.18 cw(c3848.21,3511.36) 3956.85,3511.36 ; P1.2@3925.03,3588.18 cw(c3848.21,3511.36) 3956.85,3511.36 ; P1.2@3925.03,3588.18 cw(c3848.21,3511.36) 3956.85,3511.36 ; P1.2@3925.03,3588.18 cw(c3848.21,3511.36) 3956.85,3511.36 ; P1.2@3932.1,3595.25 cw(c3872.35,3535.5) 3956.85,3535.5 ; P1.2@3932.1,3595.25 cw(c3872.35,3535.5) 3956.85,3535.5 ; P1.2@3932.1,3595.25 cw(c3872.35,3535.5) 3956.85,3535.5 ; P1.2@3932.1,3595.25 cw(c3872.35,3535.5) 3956.85,3535.5 ; R5.1@3935,3380 ccw(c3971.21,3380) 3945.61,3354.39 ; R5.1@3935,3380 ccw(c3971.21,3380) 3945.61,3354.39 ; R5.1@3935,3380 ccw(c3971.21,3380) 3945.61,3354.39 ; R5.1@3935,3380 ccw(c3971.21,3380) 3945.61,3354.39 ; P1.2@3939.17,3602.32 cw(c3896.49,3559.64) 3956.85,3559.64 ; P1.2@3939.17,3602.32 cw(c3896.49,3559.64) 3956.85,3559.64 ; P1.2@3939.17,3602.32 cw(c3896.49,3559.64) 3956.85,3559.64 ; P1.2@3939.17,3602.32 cw(c3896.49,3559.64) 3956.85,3559.64 ; R5.1@3945,3380 ccw(c4005.36,3380) 3962.68,3337.32 ; R5.1@3945,3380 ccw(c4005.36,3380) 3962.68,3337.32 ; R5.1@3945,3380 ccw(c4005.36,3380) 3962.68,3337.32 ; R5.1@3945,3380 ccw(c4005.36,3380) 3962.68,3337.32 ; 3956.85,3511.36 cw(c4065.49,3511.36) P1.2@3988.67,3588.18 ; 3956.85,3511.36 cw(c4065.49,3511.36) P1.2@3988.67,3588.18 ; 3956.85,3511.36 cw(c4065.49,3511.36) P1.2@3988.67,3588.18 ; 3956.85,3511.36 cw(c4065.49,3511.36) P1.2@3988.67,3588.18 ; 3956.85,3535.5 cw(c4041.35,3535.5) P1.2@3981.6,3595.25 ; 3956.85,3535.5 cw(c4041.35,3535.5) P1.2@3981.6,3595.25 ; 3956.85,3535.5 cw(c4041.35,3535.5) P1.2@3981.6,3595.25 ; 3956.85,3535.5 cw(c4041.35,3535.5) P1.2@3981.6,3595.25 ; 3956.85,3559.64 cw(c4017.21,3559.64) P1.2@3974.53,3602.32 ; 3956.85,3559.64 cw(c4017.21,3559.64) P1.2@3974.53,3602.32 ; 3956.85,3559.64 cw(c4017.21,3559.64) P1.2@3974.53,3602.32 ; 3956.85,3559.64 cw(c4017.21,3559.64) P1.2@3974.53,3602.32 ; U3.4@3966.48,3281.34 ccw(c3936.27,3317) 3983,3317 ; U3.4@3966.48,3281.34 ccw(c3936.27,3317) 3983,3317 ; U3.4@3966.48,3281.34 ccw(c3936.27,3317) 3983,3317 ; U3.4@3966.48,3281.34 ccw(c3936.27,3317) 3983,3317 ; U3.4@3972.94,3273.71 ccw(c3954.55,3295.42) 3983,3295.42 ; U3.4@3972.94,3273.71 ccw(c3954.55,3295.42) 3983,3295.42 ; U3.4@3972.94,3273.71 ccw(c3954.55,3295.42) 3983,3295.42 ; U3.4@3972.94,3273.71 ccw(c3954.55,3295.42) 3983,3295.42